# Allegro board BeagleBone AI -64_PCB_V1.02_211119.brd (continued)
## Routing (per net, layer and track width the routed paths; a pad name or vN(x,y) marks a point on that pad's centre or on a via; arc(x,y) is an arc through that point) (continued)
  L5-SIGNAL w0.102: v1(4.25,25) 4.25,25.4 3,26.65 -0.6,26.65 -2.43,24.82 -10.07,24.82 -10.97,25.73 -15.98,25.73 -16.82,24.88 -28.11,24.88 -28.14,24.84 -32.48,24.84 -33.9,26.26 v1(-34.39,26.26)
  L10-SIGNAL w0.102: v1(-16.29,57.59) -16.73,58.03 -17.24,58.03 -17.47,58.25 -17.47,60.35 v1(-17.95,60.83) ; v1(-35.05,56.67) -35.05,48.11 -34.94,48.01 -34.94,43.08 -36.06,41.96 -36.06,37.75 -36.93,36.88 -36.93,36.7 -36.93,36.69 -36.93,30.84 -36.27,30.18 -36.27,29.16 -34.39,27.28 v1(-34.39,26.26)
  BOTTOM w0.165: P9.12 6.17,25.87 5.3,25 v1(4.25,25)
AE28_MCASP0_AXR1: length 6.8
  TOP w0.229: v1(-17.09,57.59) -16.69,57.19 U19.AE28
  BOTTOM w0.114: v1(-17.09,57.59) -18.13,57.59 -19.81,59.26
  BOTTOM w0.165: -19.81,59.26 -19.81,59.72 -20.23,60.15 -21.58,60.15 -21.6,60.12 R132.1
AE29_UART4_CTSN: length 3.4
  TOP w0.165: U19.AE29 -17.9,57.6 R252.1
AF21_MCAN8_TX: length 13.8
  TOP w0.229: U19.AF21 -11.09,57.99 v1(-11.49,58.39)
  BOTTOM w0.114: v1(-11.49,58.39) -11.11,58.77 -10.33,58.77
  BOTTOM w0.165: -10.33,58.77 -10.06,58.77 -10.06,58.77 -9.72,58.77 -8.86,59.64 -8.86,60.38 -7.82,61.42 -7.82,63.45 -7.36,63.91 -7.36,67.46 -6.53,68.29 P8.21
AF22_PRG1_PWM2_A0: length 24.4
  TOP w0.229: v1(-12.29,58.39) -11.89,57.99 U19.AF22
  L5-SIGNAL w0.102: v1(-10.05,67.46) -10.69,67.46 -12.13,66.02 -12.9,66.02 -13.51,65.41 -13.51,63.79 -13.66,63.64 -13.66,61.65 -12.73,60.72 -12.73,58.83 v1(-12.29,58.39)
  BOTTOM w0.165: v1(-10.05,67.46) -8.71,67.46 -8.36,67.82 -8.36,69.31 -7.55,70.12 -1.61,70.12 -1.45,69.96 P8.17
AF23_M.2_I2C_ALERT#: length 57.8
  TOP w0.229: U19.AF23 -12.69,57.99 v1(-13.09,58.39)
  L8-PWR/GND w0.127: v1(25.25,59.18) 25.91,59.84 25.91,62.05 24.16,63.81 24.16,65.71 22.71,67.16 v1(18.88,67.16)
  L10-SIGNAL w0.102: v1(18.88,67.16) 18.42,67.62 14.33,67.62 12.92,69.03 9.57,69.03 8.39,70.21 -0.78,70.21 -3.35,67.64 -4.18,67.64 -5,66.83 -5,65.5 -5,65.49 -5,65.19 -5,65.19 -5,64.92 -5.48,64.44 -7.71,64.44 -8.55,63.59 -8.55,63.35 -10.64,61.27 -11.58,61.27 -11.91,60.94 -11.91,59.78 -12.14,59.55 -12.44,59.55 -12.65,59.34 -12.65,58.94 -13.09,58.5 v1(-13.09,58.39)
  BOTTOM w0.165: U2.11 27.79,58.34 26.95,59.18 v1(25.25,59.18)
AF24_MCAN4_TX: length 7.7
  TOP w0.165: R251.1 v1(-20.49,58.6)
  TOP w0.229: U19.AF24 -13.49,57.99 v1(-13.89,58.39)
  L12-SIGNAL w0.102: v1(-20.49,58.6) -20.34,58.75 -14.25,58.75 v1(-13.89,58.39)
AF26_PRG0_PWM1_B0: length 32
  TOP w0.229: v1(-15.49,58.39) -15.09,57.99 U19.AF26
  L5-SIGNAL w0.102: v1(-4.9,74.63) -4.44,74.63 -3.99,74.17 -3.99,71.8 -5.61,70.18 -11.78,70.18 -13.76,68.2 -14.25,68.2 -14.81,67.64 -15.41,67.64 -15.74,67.31 -15.74,66.43 -17.18,65 -17.99,65 -18.43,64.56 -18.43,61.8 -18.99,61.24 -18.99,60.05 -18.49,59.55 -16.92,59.55 -16.65,59.28 -16.65,59.04 -16.44,58.83 -15.93,58.83 v1(-15.49,58.39)
  BOTTOM w0.165: P8.20 -4.43,74.57 -4.51,74.65 -4.87,74.65 v1(-4.9,74.63)
AF27_PRG0_PWM1_A0: length 33.6
  TOP w0.229: U19.AF27 -15.89,57.99 v1(-16.29,58.39)
  L5-SIGNAL w0.102: v1(3.63,74.58) 3.63,72.24 2.39,70.99 -3.8,70.99 -5.3,69.5 -11.82,69.5 -13.57,67.74 -13.79,67.74 v1(-14.57,66.96)
  L10-SIGNAL w0.102: v1(-14.57,66.96) -14.85,66.68 -15,66.68 -16.77,64.91 -16.77,64.14 -17.41,63.5 -17.41,62.14 -16.99,61.72 -16.99,60.5 -16.65,60.17 -16.65,58.75 v1(-16.29,58.39)
  BOTTOM w0.165: P8.14 v1(3.63,74.58)
AF28_MCASP0_AXR0: length 7.3
  TOP w0.229: U19.AF28 -16.69,57.99 v1(-17.09,58.39)
  BOTTOM w0.114: -18.87,59.44 -18.87,58.75 -18.11,58 -17.48,58 v1(-17.09,58.39)
  BOTTOM w0.165: -18.87,59.44 -19.91,60.48 -21.37,60.48 -21.94,61.04 R131.1
AF29_UART2_RTSN: length 8.3
  TOP w0.165: v1(-23.59,59.92) -23.75,59.76 -24.18,59.76 -24.19,59.76 R222.1
  TOP w0.229: U19.AF29 -17.49,57.99 v1(-17.89,58.39)
  L12-SIGNAL w0.102: v1(-17.89,58.39) -20.18,58.39 -20.34,58.23 -20.66,58.23 -20.92,58.5 -20.92,58.9 -21.13,59.11 -21.66,59.11 -22.35,59.79 -23.46,59.79 v1(-23.59,59.92)
AG20_SPI6_CS1: length 89.4
  TOP w0.229: U19.AG20 -10.29,58.79 v1(-10.69,59.19)
  L3-SIGNAL w0.102: v1(-10.69,59.19) -11.07,59.19 -11.13,59.25 -11.13,59.34 -11.42,59.63 -11.64,59.63 -11.93,59.92 -11.93,60.14 -12.2,60.4 -22.65,60.4 -22.85,60.6 -27.09,60.6 -28.54,59.15 -28.84,59.15 -28.98,59.01 -34.18,59.01 -34.54,58.65 -34.54,57.81 -34.66,57.68 -34.66,55.37 -34.11,54.81 v1(-33.7,54.81)
  L5-SIGNAL w0.102: v1(-9.06,20.04) -9.49,20.04 -9.67,19.86 -27.02,19.86 -27.69,19.19 -29.93,19.19 v1(-30.25,19.51)
  L10-SIGNAL w0.102: v1(-30.25,19.51) -30.75,20.02 -30.75,20.31 -32.38,21.94 -32.38,27.08 -32.91,27.61 -32.91,39.24 -32.3,39.85 -32.3,46.59 -33.19,47.47 -33.19,54.3 v1(-33.7,54.81)
AG21_AD28: length 28.6
  TOP w0.165: R253.2 -21.74,56.92 -21.91,57.1 -21.91,57.33 v1(-21.86,57.38)
  L3-SIGNAL w0.102: v1(-19.23,74.65) -20.57,73.31 -20.57,66.39 v1(-21.2,65.76)
  L10-SIGNAL w0.102: v1(-21.86,57.38) -22.4,57.38 -22.6,57.58 -22.6,60.79 -23.22,61.41 -23.22,63.49 -22.78,63.93 -22.35,63.93 -21.2,65.08 v1(-21.2,65.76)
  L12-SIGNAL w0.102: v1(-15.06,65.28) -15.45,65.28 -15.5,65.23 -16.28,65.23 -16.3,65.25 -18.71,65.25 -19.35,65.89 -20.68,65.89 -20.8,65.76 v1(-21.2,65.76)
  BOTTOM w0.165: P8.32 v1(-19.23,74.65) ; R101.2 -15.22,64.42 -15.06,64.59 v1(-15.06,65.28)
AG21_EQEP1_S: length 7.3
  TOP w0.229: U19.AG21 -11.09,58.79 v1(-11.49,59.19)
  BOTTOM w0.114: v1(-11.49,59.19) -11.88,59.57 -11.88,60.83 -12.08,61.04
  BOTTOM w0.165: -12.08,61.04 -12.85,61.8 -13.74,61.8 -14.55,62.61 -14.55,63.19 -15.22,63.86 R101.1
AG22_UART0_TXD: length 104.7
  TOP w0.229: U19.AG22 -11.89,58.79 v1(-12.29,59.19)
  L3-SIGNAL w0.102: v1(-12.29,59.19) -12.73,59.63 -18.07,59.63 -19.6,58.09 -22.19,58.09 -22.9,58.8 -23.51,58.8 -23.92,58.4 -25.41,58.4 -25.55,58.54 -28.41,58.54 -29.06,57.89 -30.73,57.89 -31.01,57.61 -33.85,57.61 v1(-34.28,57.18)
  L5-SIGNAL w0.102: v1(2.77,19.52) 1.67,20.63 -2,20.63 -3.6,19.03 -23.87,19.03 -24.38,18.52 -29.64,18.52 -29.81,18.34 -31.74,18.34 v1(-32.35,18.95)
  L10-SIGNAL w0.102: v1(-34.28,57.18) -34.28,56.78 -34.69,56.38 -34.69,48.06 -33.98,47.35 -33.98,43.56 -35.83,41.71 -35.83,37.47 -36.7,36.6 -36.7,32.87 -34.36,30.53 -34.36,29.87 -34.79,29.44 -34.79,28.68 -34.11,27.99 -34.11,26.49 -33.31,25.7 -33.31,21.58 -32.35,20.62 v1(-32.35,18.95)
  BOTTOM w0.165: v1(2.77,19.52) 3.14,19.52 3.33,19.7 3.33,19.72 3.63,20.03 P9.13
AG23_M.2_RTSZ: length 72.4
  TOP w0.229: U19.AG23 -12.69,58.79 v1(-13.09,59.19)
  L5-SIGNAL w0.102: v1(39.5,64.59) 39.22,64.88 39.22,64.96 38.6,65.57 38.6,68.06 38.74,68.2 38.74,68.76 37.88,69.62 v1(37.88,71.73)
  L10-SIGNAL w0.102: v1(-13.09,59.19) -12.65,59.63 -12.65,61.03 -12.19,61.49 -11.09,61.49 -10.51,62.08 -10.51,63.26 -10,63.77 -8.7,63.77 -7.8,64.67 -5.63,64.67 -5.25,65.05 -5.25,66.9 -4.25,67.9 -3.45,67.9 -0.91,70.44 8.54,70.44 9.68,69.29 12.99,69.29 14.43,67.84 19.64,67.84 20.21,67.27 22.2,67.27 22.36,67.44 26.54,67.44 30.25,71.15 37.29,71.15 v1(37.88,71.73)
  BOTTOM w0.165: R19.1 39.78,64.49 39.68,64.59 v1(39.5,64.59) 39.4,64.49 R24.1 39.16,64.68 39.17,64.7 39.17,65.05 38.98,65.24 J4.52 38.98,66.17
AG24_MCAN5_TX: length 70
  TOP w0.229: v1(-13.89,59.19) -13.49,58.79 U19.AG24
  L12-SIGNAL w0.102: v1(-13.89,59.19) -14.27,59.56 -14.27,60.58 -15.97,62.28 -17.39,62.28 -17.7,61.98 -21.25,61.98 -21.68,61.55 -26.7,61.55 -27.08,61.16 -28.06,61.16 -28.19,61.29 -28.82,61.29 -28.96,61.15 -28.96,61.14 v1(-29.24,60.86)
  BOTTOM w0.165: v1(-29.24,60.86) -29.24,61.34 -27.97,62.61 -27.97,62.82 -26.84,63.94 -26.84,66.04 -25.88,67.01 -24,67.01 -23.41,67.59 -23.41,70.34 -20.43,73.33 -6.98,73.33 -6.41,72.76 2.23,72.76 2.93,72.06 10.5,72.06 11.25,72.82 P8.8
AG25_MCAN7_RX: length 70.2
  TOP w0.229: U19.AG25 -14.29,58.79 v1(-14.69,59.19)
  L12-SIGNAL w0.102: v1(-27.65,60.56) -27.04,60.56 -26.54,61.06 -22.45,61.06 -21.92,60.53 -19.45,60.53 -18.7,61.28 -16.28,61.28 -15.93,60.93 -15.93,60.71 -15.64,60.43 -15.42,60.43 -15.08,60.08 -15.08,59.57 v1(-14.69,59.19)
  BOTTOM w0.165: v1(-27.65,60.56) -28.08,60.56 -28.14,60.5 -28.57,60.5 -28.82,60.75 -28.82,61.27 -27.04,63.04 -25.67,63.04 -24.99,63.73 -24.99,64.05 -23.84,65.19 -23.84,66.42 -23.08,67.18 -23.08,70.21 -20.29,73 -7.12,73 -6.55,72.43 2.09,72.43 2.82,71.71 12.58,71.71 13.79,72.92 P8.6
AG26_PRG0_PRU1_GPO11: length 41
  TOP w0.229: U19.AG26 -15.09,58.79 v1(-15.49,59.19)
  L3-SIGNAL w0.102: v1(-16.69,74.68) -16.69,74.86
  L10-SIGNAL w0.102: v1(-30.52,60.58) -30.52,61.89 -29.66,62.76 -29.66,68.2 -28.06,69.8 -23.29,69.8 -18.41,74.68 v1(-16.69,74.68)
  L12-SIGNAL w0.102: v1(-15.49,59.19) -15.93,59.63 -15.93,60.14 -16.14,60.35 -18.49,60.35 -18.51,60.33 -19.33,60.33 -19.36,60.3 -22.02,60.3 -22.55,60.83 -26.43,60.83 -26.84,60.43 -26.85,60.43 -27.09,60.19 -27.98,60.19 -28.23,60.43 -29.51,60.43 -29.66,60.58 v1(-30.52,60.58)
  BOTTOM w0.165: P8.30 v1(-16.69,74.68)
AG27_GPIO0_58: length 5.2
  TOP w0.165: v1(-20.44,59.69) -20.5,59.76 R257.1
  TOP w0.229: v1(-16.29,59.19) -15.89,58.79 U19.AG27
  L12-SIGNAL w0.102: v1(-16.29,59.19) -16.73,59.63 -19.98,59.63 -20.05,59.69 v1(-20.44,59.69)
AG28_GPIO0_57: length 5.2
  TOP w0.229: U19.AG28 -16.69,58.79 v1(-17.09,59.19)
  BOTTOM w0.165: R108.1 -18.94,60.45 -18.15,59.67 -17.57,59.67 v1(-17.09,59.19)
AG29_PRG0_PRU1_GPO16: length 33.2
  TOP w0.229: U19.AG29 -17.49,58.79 v1(-17.89,59.19)
  L12-SIGNAL w0.102: v1(-34.11,58.55) -32.58,60.07 -28.39,60.07 -27.55,59.23 -27.04,59.23 -26.87,59.41 -26.87,60.08 -26.34,60.61 -22.83,60.61 -22.29,60.07 -21.23,60.07 -20.95,59.79 -20.95,59.47 -20.67,59.19 v1(-17.89,59.19)
  BOTTOM w0.165: v1(-34.11,58.55) -35.17,58.55 -35.45,58.83 -35.45,59.49 -37.01,61.04 P8.45
AH21_MCAN6_TX: length 45.4
  TOP w0.229: v1(-11.49,59.99) -11.09,59.59 U19.AH21
  L3-SIGNAL w0.102: P8.3 14.8,71.91 -6.19,71.91 -6.75,71.35 -12.66,71.35 -14.94,69.06 -14.94,66.8 -14.69,66.55 -14.69,65.13 -14.7,65.11 -14.7,61.19 -14.14,60.63 -12.14,60.63 v1(-11.49,59.99)
AH22_SPI6_D1: length 7.7
  TOP w0.229: U19.AH22 -11.89,59.59 v1(-12.29,59.99)
  BOTTOM w0.165: v1(-12.29,59.99) -12.68,60.37 -12.68,61.02 -13.15,61.49 -15.44,61.49 -16.58,62.64 -16.58,63.47 -16.97,63.86 R103.1
AH22_Y2: length 107.2
  L5-SIGNAL w0.102: v1(15.83,31.75) 15.02,31.75 14.43,31.17 14.43,30.74 14.26,30.56 13.82,30.56 12.78,29.52 9,29.52 8.62,29.14 4.43,29.14 3.44,28.14 2.65,28.14 1.97,27.46 -1.41,27.46 v1(-2.31,26.56) -2.82,26.05 -9.05,26.05 -9.9,26.9 -11.7,26.9 -11.83,27.03 -13.66,27.03 -13.87,27.24 -16.53,27.24 -16.89,26.87 -25.1,26.87 -26.5,28.27 -29,28.27 v1(-29.58,27.69)
  L10-SIGNAL w0.102: v1(-29.58,27.69) -29.58,28.08 -29.25,28.41 -29.25,39.78 -29.13,39.9 -29.13,41.3 -29.18,41.35 -29.18,41.62 -29.62,42.06 -29.62,42.37 -29.6,42.39 -29.6,43.41 -29.38,43.63 -29.38,44.07 -29.57,44.26 -29.57,45.16 -29.58,45.18 -29.58,46.33 -29.01,46.9 -29.01,50.84 -29.31,51.13 -29.31,51.92 -29.69,52.3 -31.62,52.3 -32.1,52.78 -32.1,60.05 -31.21,60.94 -31.21,63.96 v1(-30.65,64.52)
  L12-SIGNAL w0.102: v1(-30.65,64.52) -30.22,64.52 -29.92,64.82 -29.92,64.97 -28.98,65.9 -27.81,65.9 -26.33,64.42 -24.68,64.42 -24.02,65.08 v1(-19.48,65.08)
  BOTTOM w0.165: R103.2 -17.01,64.42 -17.41,64.82 -18.8,64.82 -19.05,65.08 v1(-19.48,65.08) ; P9.18 -2.06,26.31 v1(-2.31,26.56) ; 15.47,32.18 15.47,32.13 15.83,31.78 v1(15.83,31.75)
AH23_UART2_RXD: length 25
  TOP w0.229: U19.AH23 -12.69,59.59 v1(-13.09,59.99)
  L5-SIGNAL w0.102: v1(-6.53,74.63) -8.35,74.63 -13,69.98 -14.62,69.98 -16.99,67.62 v1(-16.99,66.93)
  L10-SIGNAL w0.102: v1(-16.99,66.93) -16.99,65.36 v1(-17.95,64.4)
  L12-SIGNAL w0.102: v1(-13.09,59.99) -13.09,60.42 -14.26,61.58 -14.26,62.35 -15.79,63.88 -16.22,63.88 -16.73,64.4 v1(-17.95,64.4)
  BOTTOM w0.165: P8.22 v1(-6.53,74.63)
AH24_AA2: length 65
  TOP w0.165: v1(16.85,63.25) 17.15,63.55 17.15,65.35 17.15,65.36 v1(17.15,65.81)
  L5-SIGNAL w0.102: v1(17.15,65.81) 14.74,68.23 v1(14.74,72.39)
  L10-SIGNAL w0.102: v1(14.74,72.39) 13.82,72.39 13.75,72.32 -2.91,72.32 -3.84,73.24 -8.87,73.24 -10.61,74.98 -12.13,74.98 -13.74,73.38 -18.76,73.38 -21.58,70.56 v1(-21.58,69.01)
  L12-SIGNAL w0.102: v1(-17.77,63.3) -19.44,63.3 -20.09,63.95 -22.28,63.95 -22.36,63.87 -23.57,63.87 v1(-24.02,63.43)
  BOTTOM w0.165: R105.2 v1(-17.77,63.3) ; v1(-24.02,63.43) -24.02,64.09 -23.18,64.92 -23.18,66.15 -21.77,67.56 P8.33 -21.77,68.83 v1(-21.58,69.01) ; R55.2 16.64,63.2 16.72,63.27 16.72,63.26 16.83,63.26 v1(16.85,63.25)
AH24_EQEP1_B: length 5.9
  TOP w0.229: v1(-13.89,59.99) -13.49,59.59 U19.AH24
  BOTTOM w0.165: v1(-13.89,59.99) -13.89,60.69 -14.4,61.2 -16.44,61.2 -17.75,62.51 R105.1
AH25_MCAN7_TX: length 68.2
  TOP w0.229: v1(-14.69,59.99) -14.29,59.59 U19.AH25
  L12-SIGNAL w0.102: v1(-28.39,60.92) -27,60.92 -26.61,61.32 -19.68,61.32 -19.49,61.51 -17.71,61.51 -17.19,62.03 -16.1,62.03 -14.69,60.62 v1(-14.69,59.99)
  BOTTOM w0.165: v1(-28.39,60.92) -28.09,61.22 -28.09,61.53 -26.93,62.69 -25.52,62.69 -24.5,63.7 -24.5,64.06 -23.51,65.06 -23.51,66.28 -22.47,67.32 -22.47,70.23 -20.03,72.67 -11.4,72.67 -11.27,72.54 -7.13,72.54 -6.68,72.1 1.95,72.1 2.68,71.38 12.38,71.38 13.79,69.96 P8.5
AH26_PRG1_PRU1_GPO14: length 11.2
  TOP w0.229: v1(-15.49,59.99) -15.09,59.59 U19.AH26
  L5-SIGNAL w0.102: v1(-15.49,59.99) -14.7,60.78 -14.7,65.11 -14.69,65.13 -14.69,65.43 -14.7,65.44 -14.7,65.89 -14.34,66.24 -13.82,66.24 v1(-11.61,68.45)
  BOTTOM w0.165: P8.25 v1(-11.61,68.45)
AH27_GPIO0_55: length 5.4
  TOP w0.229: v1(-16.29,59.99) -15.89,59.59 U19.AH27
  BOTTOM w0.165: R109.1 -18.97,63.56 -18.13,62.72 -18.13,61.56 -17.96,61.39 -17.7,61.39 v1(-16.29,59.99)
AH28_PRG0_PWM0_A2: length 33.6
  TOP w0.229: U19.AH28 -16.69,59.59 v1(-17.09,59.99)
  L5-SIGNAL w0.102: v1(-17.09,59.99) -16.67,60.41 -16.67,64.49 -14.69,66.47 -14.19,66.47 -11.4,69.27 -5.19,69.27 -3.7,70.77 4.69,70.77 6.17,72.25 v1(6.17,74.5)
  BOTTOM w0.165: P8.12 v1(6.17,74.5)
AH29_GPIO0_56: length 3.4
  TOP w0.165: R278.1 -18.64,60.73 U19.AH29
AJ20_MCAN4_RX: length 6.4
  TOP w0.165: U19.AJ20 -11.83,61.93 -13.28,61.93 -15.23,63.87 R284.1
AJ21_PRG1_PRU0_GPO17: length 52.7
  TOP w0.229: U19.AJ21 -11.09,60.42 v1(-11.47,60.81)
  L8-PWR/GND w0.127: v1(18.04,54.54) 18.7,54.54 21.3,57.14 21.3,61.07 21.53,61.3 21.89,61.3 22.69,62.1 22.69,65.99 21.98,66.7 12,66.7 11.56,67.13 -0.24,67.13 -3.52,63.86 -7.33,63.86 -7.89,63.3 -7.89,62.31 -8.58,61.62 -10.66,61.62 v1(-11.47,60.81)
  BOTTOM w0.165: R46.1 18.04,54.38 v1(18.04,54.54)
AJ22_SPI6_D0: length 5.7
  TOP w0.165: U19.AJ22 -12.18,60.67 -12.18,60.95 -12.82,61.6 -13.68,61.6 -15.69,63.6 -15.72,63.6 -15.99,63.87 R282.1
AJ22_U28: length 100.6
  TOP w0.165: R282.2 v1(-16.01,64.63)
  L5-SIGNAL w0.102: v1(-29.91,16.28) -29.91,16.69 -29.93,16.7 -29.93,16.94 -29.28,17.59 -23.86,17.59 -23.86,17.59 -20.91,17.59 -20.72,17.78 v1(-18.03,17.78)
  L10-SIGNAL w0.102: v1(-29.91,16.28) -29.91,16.68 -29.93,16.69 -29.93,16.94 -29.81,17.06 -29.81,20.5 -30.09,20.78 -30.57,20.78 -31.57,21.77 -31.57,35.66 -32.38,36.48 -32.38,37.94 -31.9,38.42 -31.9,38.46 -31.84,38.52 -31.84,39.1 -31.85,39.1 -31.85,47.42 -32.63,48.21 -32.63,50.11 -32.22,50.52 -31.06,50.52 v1(-30.75,50.83) -31.03,51.11 -31.19,51.11 -32.38,52.29 -32.38,60.12 -31.44,61.06 -31.44,64.58 v1(-30.34,65.68)
  L12-SIGNAL w0.102: v1(-30.34,65.68) -29.53,65.68 -28.96,66.24 -27.83,66.24 -26.23,64.64 -24.78,64.64 -24.05,65.38 -20.62,65.38 -20.34,65.66 -19.45,65.66 -18.82,65.03 -16.4,65.03 v1(-16.01,64.63)
  BOTTOM w0.165: P9.21 -6.53,22 -7.56,23.04 -11.5,23.04 -12.87,21.67 -15.08,21.67 -15.34,21.41 -15.34,19.38 -16.15,18.57 -16.71,18.57 -16.88,18.39 -16.92,18.39 -17.53,17.78 v1(-18.03,17.78) ; R151.2 -30.7,50.83 v1(-30.75,50.83)
AJ23_PRG1_PWM3_A2: length 25.6
  TOP w0.229: v1(-15.19,62.48) -14.86,62.15 -14.78,62.15 -13.82,61.19 -13.5,61.19 U19.AJ23
  L3-SIGNAL w0.102: v1(-15.34,67.16) -15.34,65.52 -15.47,65.38 -15.47,62.77 v1(-15.19,62.48)
  L5-SIGNAL w0.102: v1(-15.34,67.16) -14.97,67.16 -14.16,67.97 -13.66,67.97 -11.68,69.95 -5.49,69.95 -1.47,73.98 v1(-1.47,74.63)
  BOTTOM w0.165: v1(-1.47,74.63) -1.45,74.61 P8.18
AJ24_MCAN4_RX: length 3.4
  TOP w0.165: R283.1 -15.82,62.51 -13.98,60.67 -13.78,60.67 U19.AJ24
AJ25_AE29: length 20
  TOP w0.165: v1(-22.22,58.7) -21.91,58.4 -21.91,58.37 -21.54,58 -21.54,57.89 -21.27,57.62 R252.2 ; v1(-22.68,63.5) -21.08,63.5 -20.57,64 -20.16,64 -19.85,63.69 -19,63.69 -18.91,63.78 -17.63,63.78 -16.98,64.43 R280.2
  L10-SIGNAL w0.102: v1(-22.68,63.5) -22.99,63.18 -22.99,61.51 -22.22,60.73 v1(-22.22,58.7)
  BOTTOM w0.165: v1(-22.68,63.5) -22.22,63.5 -20.77,64.95 -20.77,66.34 -19.53,67.58 -19.53,67.98 -19.23,68.29 P8.31
AJ25_EQEP1_I: length 4.8
  TOP w0.165: R280.1 -16.95,63.87 -16.55,63.48 -16.55,62.33 -16.35,62.13 -16.04,62.13 U19.AJ25
AJ26_M.2_W_DISABLE2#: length 72.7
  TOP w0.229: U19.AJ26 -15.09,60.39 v1(-15.49,60.79)
  L5-SIGNAL w0.102: v1(36.76,72.29) 37.24,71.81 37.24,68.94 37.06,68.76 37.06,68.3 37.29,68.07 37.83,68.07 38.37,67.53 38.37,65.24 v1(38.74,64.87)
  L10-SIGNAL w0.102: v1(36.76,72.29) 36.38,71.91 30.04,71.91 26.31,68.18 22.13,68.18 21.91,67.96 20.49,67.96 19.92,68.53 14.79,68.53 12.17,71.15 -1.24,71.15 -3.78,68.61 -4.67,68.61 -5.94,67.34 -5.94,65.99 -6.52,65.41 -8.07,65.41 -8.49,65.83 -10.52,65.83 -11.16,65.19 -12.2,65.19 -13.51,63.88 -13.51,62.77 v1(-15.49,60.79)
  BOTTOM w0.165: 38.65,64.87 38.48,65.04 J4.54 38.48,66.17 ; 38.65,64.87 v1(38.74,64.87) ; 38.65,64.87 38.61,64.87 38.45,64.71 R27.2
AJ27_M.2_W_DISABLE1#: length 73.5
  TOP w0.229: U19.AJ27 v1(-16.29,60.78)
  L5-SIGNAL w0.102: v1(37.29,64.39) 36.23,64.39 35.46,65.15 v1(35.46,72.33)
  L10-SIGNAL w0.102: v1(-16.29,60.78) -13.86,63.21 -13.86,63.88 -13.58,64.16 -13.58,65.25 -12.78,66.05 -8.36,66.05 -7.97,65.66 -6.65,65.66 -6.17,66.14 -6.17,67.49 -4.82,68.84 -3.91,68.84 -1.34,71.4 12.24,71.4 14.88,68.76 20.02,68.76 20.59,68.19 21.82,68.19 22.03,68.4 26.21,68.4 29.95,72.14 34.87,72.14 35.07,72.33 v1(35.46,72.33)
  BOTTOM w0.165: J4.56 37.98,65.99 37.98,64.74 R28.2 37.39,64.49 v1(37.29,64.39)
AJ28_GPIO0_54: length 2.3
  TOP w0.165: U19.AJ28 -16.96,60.65 R281.1
B_USB1_DN1_D_N: length 16.2
  BOTTOM w0.13: J8.2 -10.66,4.94 -10.81,4.94 -11.04,4.71 -11.04,3.89 -11.33,3.61 -13.17,3.61 -13.6,4.03 -13.6,5.55 -12.33,6.81 -12.33,7.32 -13.13,8.12 -13.13,9.02 -12.27,9.87 -12.27,11.84 -12.48,12.04 D16.3 -12.58,12.43 L9.2
B_USB1_DN1_D_P: length 16.1
  BOTTOM w0.13: J8.3 -11.7,4.94 -11.49,4.94 -11.31,4.76 -11.31,4 -11.44,3.88 -11.95,3.88 -12.08,4 -12.08,4.29 -12.21,4.42 -12.46,4.42 -12.59,4.29 -12.59,4 -12.72,3.88 -13.06,3.88 -13.33,4.14 -13.33,5.44 -12.07,6.7 -12.07,7.43 -12.86,8.23 -12.86,8.91 -12,9.76 -12,11.84 -11.8,12.04 D16.2 -11.73,12.39 L9.3
B_USB1_SSRX_DN1_N: length 9.1
  BOTTOM w0.13: J8.5 -14.72,6.93 -14.38,7.27 -14.38,7.51 -14.55,7.68 -15.07,7.68 -15.63,8.23 -15.63,9.23 -16.13,9.73 -16.13,9.89 -16.32,10.09 -16.32,10.84 -16.45,10.97 -16.45,11.36 -16.32,11.49 -16.32,11.84 -16.53,12.04 D18.3 -16.62,12.42 L11.2
B_USB1_SSRX_DN1_P: length 9.1
  BOTTOM w0.13: J8.6 -13.78,6.93 -14.12,7.27 -14.12,7.62 -14.44,7.95 -14.96,7.95 -15.36,8.34 -15.36,9.34 -15.86,9.84 -15.86,10 -16.06,10.2 -16.06,11.84 -15.85,12.04 D18.2 -15.77,12.4 L11.3
B_USB1_SSTX_DN1_N: length 9.1
  BOTTOM w0.13: J8.8 -8.54,6.93 -8.32,7.14 -8.32,7.47 -7.85,7.95 -7.4,7.95 -7,8.34 -7,9.17 -6.6,9.57 -6.19,10.55 -6.19,11.84 -6.4,12.04 D13.3 -6.49,12.41 L6.2
B_USB1_SSTX_DN1_P: length 9.1
  BOTTOM w0.13: L6.3 -5.64,12.41 D13.2 -5.72,12.04 -5.93,11.84 -5.93,10.49 -6.37,9.42 -6.73,9.06 -6.73,8.23 -7.29,7.68 -7.74,7.68 -8.06,7.36 -8.06,7.14 -7.84,6.93 J8.9
BOARDID_EEPROM_WP: length 28.7
  TOP w0.229: v1(-13.89,42.38) -13.49,42.78 U19.G24
  L5-SIGNAL w0.102: v1(-23.84,44.77) -24.21,45.14 -27.53,45.14 -27.65,45.01 -29.05,45.01 -29.64,45.59 -32.18,45.59 -32.53,45.95 -33.67,45.95 -34.21,46.48 -35.61,46.48 -35.95,46.14 v1(-37.23,46.14)
  L10-SIGNAL w0.102: v1(-13.89,42.38) -14.29,42.78 -14.85,42.78 -15.1,43.03 -15.1,44.1 -15.4,44.4 -15.67,44.4 -15.9,44.63 -15.9,45.07 -16.43,45.59 -20.36,45.59 -20.9,45.06 -21.61,45.06 -21.99,45.44 -23.12,45.44 -23.18,45.38 -23.24,45.38 v1(-23.84,44.77)
  BOTTOM w0.165: v1(-37.23,46.14) -37.56,46.47 -37.78,46.47 -37.97,46.66 R377.2
C23_WKUP_GPIO0_35: length 54.4
  TOP w0.229: U19.C23 -13.09,39.18 v1(-13.09,39.18)
  L10-SIGNAL w0.102: v1(-20.97,10.39) -20.67,10.69 -20.11,10.69 -19.3,11.51 -19.3,15.37 -18.64,16.03 -18.64,21.95 -17.29,23.3 -17.29,26.77 -16.3,27.76 -16.3,29.75 -15.64,30.41 -15.64,33.54 -13.18,36 -13.18,38.84 -13.09,38.92 v1(-13.09,39.18)
  L12-SIGNAL w0.102: v1(-20.97,10.39) -23.53,10.39 -24.49,9.42 -30.17,9.42 -30.75,8.84 -31.67,8.84 -32.25,9.42 -36.15,9.42 -36.38,9.2 v1(-36.93,9.2)
  BOTTOM w0.165: J10.13 -39.4,9 -39.03,9.37 -37.53,9.37 -37.35,9.2 v1(-36.93,9.2)
C29_WKUP_GPIO0_59: length 3.5
  TOP w0.165: U19.C29 -17.78,39.29 -18.15,39.29 -18.8,39.94 R260.1
C_DP0_AUX_N: length 10.1
  TOP w0.119: U19.G6 v1(1.31,42.38)
  BOTTOM w0.106: v1(1.31,42.38) 1.69,42 2.24,42 2.53,41.71 2.53,41.36 2.69,41.2 3.04,41.2 3.29,40.94 3.29,37.38 3.04,37.12 3.04,36.92 3.5,36.47 3.5,34.83 C119.1
C_DP0_AUX_P: length 10
  TOP w0.119: v1(0.51,41.58) 0.11,41.98 U19.F7
  BOTTOM w0.106: v1(0.51,41.58) 0.89,41.2 2.31,41.2 2.49,41.01 2.49,37.42 2.77,37.14 2.77,36.81 3.23,36.36 3.23,36.16 3.11,36.04 3.01,36.04 2.9,35.94 2.9,35.67 3.01,35.56 3.08,35.56 3.23,35.41 3.23,34.83 C121.1
C_DP0_TX0_N: length 2.8
  TOP w0.119: v1(-2.69,38.38) -3.09,38.78 U19.B11
  BOTTOM w0.106: v1(-2.69,38.38) -2.69,38.12 -3.09,37.72 -3.09,37.03 -3,36.95 -3,36.67 -2.91,36.57 -2.91,36.56 C174.1
C_DP0_TX0_P: length 2.8
  TOP w0.119: U19.A12 -3.89,37.98 v1(-3.49,37.58)
  BOTTOM w0.106: -3.49,37.58 v1(-3.49,37.58) -3.76,37.58 -3.96,37.39 -3.96,37.06 -3.8,36.91 -3.35,36.91 -3.27,36.83 -3.27,36.65 -3.51,36.41 C185.1
C_DP0_TX1_N: length 4.1
  TOP w0.119: U19.B10 v1(-1.89,38.38)
  BOTTOM w0.106: C151.1 -1.09,36.07 -1.09,36.48 -1.8,37.19 -2.18,37.19 -2.29,37.29 -2.29,37.72 -1.89,38.12 v1(-1.89,38.38)
C_DP0_TX1_P: length 4
  TOP w0.119: U19.A11 -3.09,37.98 v1(-2.69,37.58)
  BOTTOM w0.106: v1(-2.69,37.58) -2.69,37.58 -2.56,37.45 -2.56,37.18 -2.23,36.86 -2.23,36.2 -2.12,36.09 -1.97,36.09 -1.87,36.2 -1.87,36.37 -1.76,36.48 -1.47,36.48 -1.35,36.37 -1.35,36.11 -1.57,35.89 C164.1
C_DP0_TX2_N: length 5.3
  TOP w0.119: v1(-0.29,38.38) -0.69,38.78 U19.B8
  BOTTOM w0.106: v1(-0.29,38.38) -0.29,38.12 -0.69,37.72 -0.69,36.98 0.65,35.64 0.65,34.76 C129.1
C_DP0_TX2_P: length 5.2
  TOP w0.119: v1(-1.09,37.58) -1.09,37.58 U19.A9
  BOTTOM w0.106: C135.1 -0.02,34.66 -0.02,35.03 0.08,35.13 0.26,35.13 0.38,35.25 0.38,35.52 0.22,35.69 0.07,35.69 -0.09,35.53 -0.24,35.53 -0.39,35.68 -0.39,35.83 -0.23,35.99 -0.23,36.14 -0.96,36.86 -0.96,37.45 -1.09,37.58 v1(-1.09,37.58)
C_DP0_TX3_N: length 4.8
  TOP w0.119: v1(0.51,38.38) 0.11,38.78 U19.B7
  BOTTOM w0.106: v1(0.51,38.38) 0.51,38.12 0.11,37.72 0.11,37.24 0.22,37.13 1.48,37.13 1.92,36.69 1.92,36.12 C125.1
C_DP0_TX3_P: length 4.8
  TOP w0.119: U19.A8 v1(-0.29,37.58)
  BOTTOM w0.106: v1(-0.29,37.58) -0.29,37.58 -0.16,37.45 -0.16,37.13 0.11,36.86 0.49,36.86 0.6,36.76 0.6,36.4 0.7,36.3 0.91,36.3 1.02,36.4 1.02,36.76 1.13,36.86 1.37,36.86 1.65,36.58 1.65,36.12 C126.1
C_PCIE1_TX0_N: length 6.9
  TOP w0.152: v1(-4.92,63.1) C377.1
  TOP w0.188: U19.AF15 -6.29,57.99 v1(-6.69,58.39)
  L12-SIGNAL w0.136: v1(-4.92,63.1) -5.16,62.86 -5.16,62.6 -4.69,62.13 -4.69,59.75 -5.6,58.83 arc(-5.68,58.81) -5.76,58.81 -5.97,58.81 arc(-6.25,58.75) -6.48,58.6 v1(-6.69,58.39)
C_PCIE1_TX0_P: length 5.5
  TOP w0.152: v1(-5.69,63.1) C375.1
  TOP w0.188: U19.AG14 v1(-5.89,59.19)
  L12-SIGNAL w0.136: v1(-5.89,59.19) -5.85,59.14 arc(-5.8,59.11) -5.75,59.1 -4.98,59.87 -4.98,62 -5.45,62.47 -5.45,62.86 v1(-5.69,63.1)
C_PCIE1_TX1_N: length 7.2
  TOP w0.188: U19.AF16 v1(-7.49,58.39)
  L12-SIGNAL w0.136: v1(-7.49,58.39) -7.22,58.66 arc(-7.13,58.8) -7.09,58.96 -7.09,59.32 arc(-7.02,59.49) -6.85,59.56 -6.64,59.56 arc(-6.44,59.63) -6.31,59.79 arc(-6.29,59.86) -6.29,59.92 -6.29,59.94 arc(-6.25,60.12) -6.15,60.26 -6.15,60.27 arc(-5.99,60.37) -5.81,60.41 -5.77,60.41 arc(-5.59,60.48) -5.51,60.67 -5.51,61.35 -6.95,62.79 -6.95,62.82 v1(-7.26,63.12)
C_PCIE1_TX1_P: length 6
  TOP w0.188: U19.AG15 -6.29,58.79 v1(-6.69,59.19)
  L12-SIGNAL w0.136: v1(-6.5,63.12) -6.59,63.03 -6.59,62.84 -5.22,61.47 -5.22,60.38 arc(-5.27,60.12) -5.42,59.9 -5.61,59.7 arc(-5.72,59.63) -5.84,59.61 arc(-6.06,59.53) -6.25,59.39 -6.29,59.36 arc(-6.47,59.23) v1(-6.69,59.19)
C_USB1_SSTX_DN1_N: length 1.8
  TOP w0.13: C534.1 -7.87,17.01 -7.87,17.78 -7.76,17.9 U20.4
C_USB1_SSTX_DN1_P: length 1.9
  TOP w0.13: C533.1 -8.14,17.06 -8.14,17.78 -8.26,17.9 U20.3
C_USB1_SSTX_DN2_N: length 1.8
  TOP w0.13: C536.1 -3.87,17.03 -3.87,17.78 -3.76,17.9 U20.12
C_USB1_SSTX_DN2_P: length 1.9
  TOP w0.13: U20.11 -4.26,17.9 -4.14,17.78 -4.14,17.05 C535.1
C_USB_SS_TX1_N: length 4.1
  TOP w0.16: U19.AF10 -1.89,58.38 v1(-1.89,58.39)
  BOTTOM w0.13: C538.1 -1.83,61.52 -2.28,61.07 -2.28,58.78 v1(-1.89,58.39)
C_USB_SS_TX1_P: length 4
  TOP w0.16: v1(-1.09,59.19) -1.09,59.18 U19.AG9
  BOTTOM w0.13: v1(-1.09,59.19) -1.09,59 -1.22,58.87 -1.4,58.87 -1.49,58.96 -1.49,61.17 -1.14,61.52 C537.1
C_USB_SS_TX2_N: length 4.2
  TOP w0.16: v1(-1.09,58.39) -1.09,58.38 U19.AF9
  BOTTOM w0.13: C143.1 -0.5,61.47 arc(-0.64,61.27) -0.68,61.03 -0.68,59.08 arc(-0.74,58.81) -0.89,58.59 v1(-1.09,58.39)
